# KiCad board kimotor-project.kicad_pcb (continued)
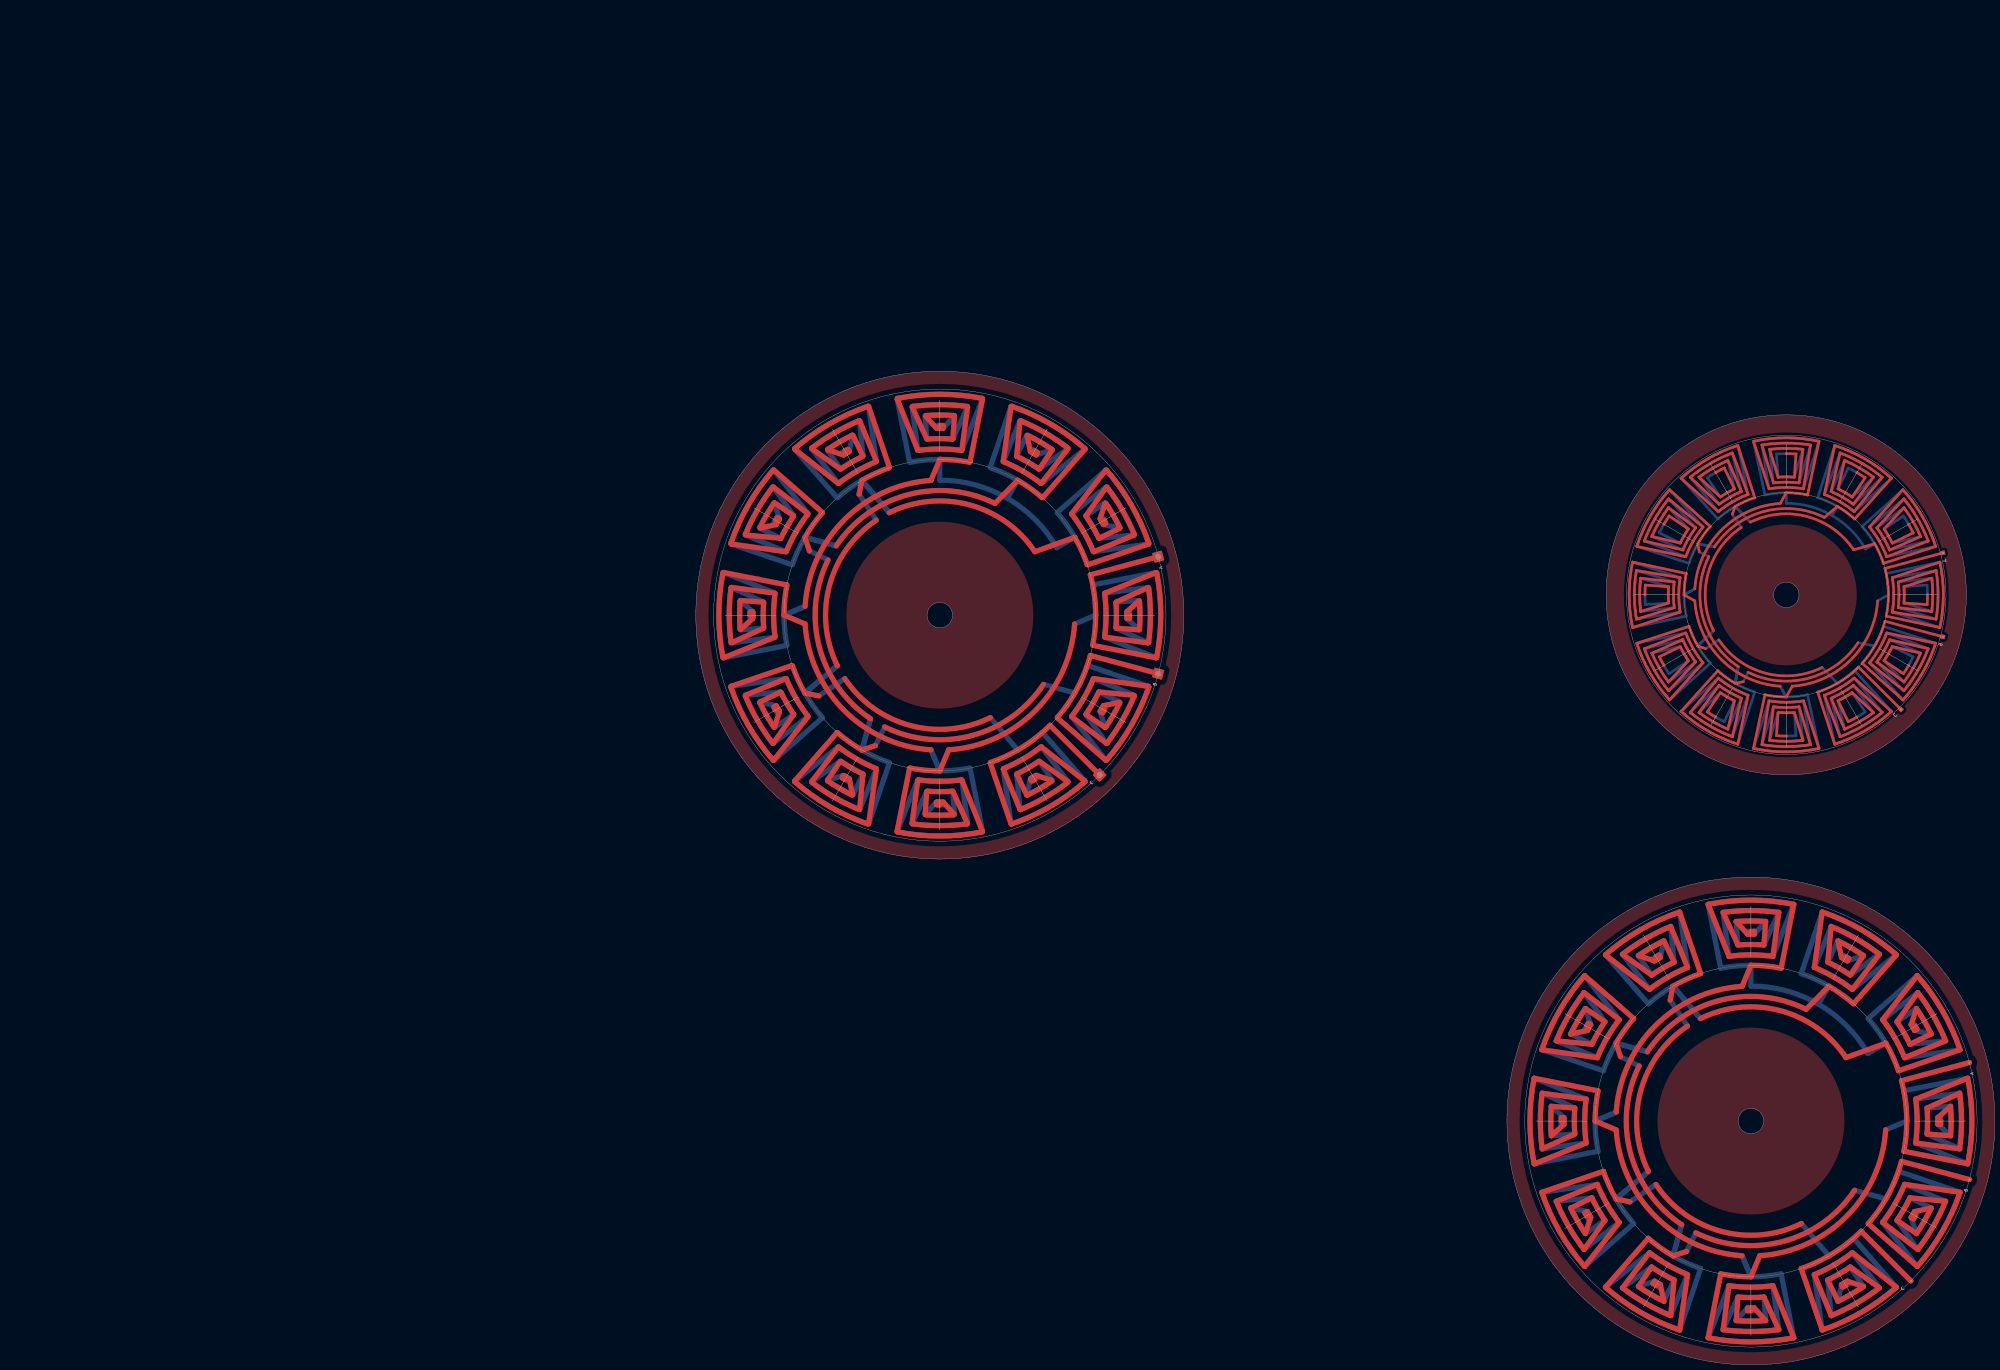
[diagram p0: board, top side]
## Routing (per net, layer and track width the routed paths; a pad name or vN(x,y) marks a point on that pad's centre or on a via; arc(x,y) is an arc through that point) (continued)
arc(-227.76,479.68) -231.78,473.67 ; -229.75,476.92 arc(-227.76,479.68) -231.78,473.67 ; -229.75,476.92 arc(-227.76,479.68) -231.78,473.67 ; -225.07,491.7 -210.49,478.61 ; -225.07,491.7 -210.49,478.61 ; -225.07,491.7 -210.49,478.61 ; -225.07,491.7 -210.49,478.61 ; -225.07,491.7 -210.49,478.61 ; -225.07,491.7 -210.49,478.61 ; -225.07,491.7 -210.49,478.61 ; -225.07,491.7 -210.49,478.61 ; -225.07,491.7 -210.49,478.61 ; -225.07,491.7 arc(-214.64,499.28) -202.86,504.52 ; -225.07,491.7 arc(-214.64,499.28) -202.86,504.52 ; -225.07,491.7 arc(-214.64,499.28) -202.86,504.52 ; -225.07,491.7 arc(-214.64,499.28) -202.86,504.52 ; -225.07,491.7 arc(-214.64,499.28) -202.86,504.52 ; -225.07,491.7 arc(-214.64,499.28) -202.86,504.52 ; -225.07,491.7 arc(-214.64,499.28) -202.86,504.52 ; -225.07,491.7 arc(-214.64,499.28) -202.86,504.52 ; -225.07,491.7 arc(-214.64,499.28) -202.86,504.52 ; -210.49,478.61 -224.74,491.33 ; -210.49,478.61 -224.74,491.33 ; -210.49,478.61 -224.74,491.33 ; -140.04,441 -126.9,439.49 ; -140.04,441 -126.9,439.49 ; -140.04,441 -127.4,439.55 ; -140.04,441 -126.9,439.49 ; -140.04,441 -126.9,439.49 ; -140.04,441 -126.9,439.49 ; -140.04,441 -127.4,439.55 ; -140.04,441 -126.9,439.49 ; -140.04,441 -126.9,439.49 ; -140.04,441 -126.9,439.49 ; -140.04,441 -126.9,439.49 ; -140.04,441 -127.4,439.55 ; -140.04,441 arc(-139.75,446.02) -140.04,451.04 ; -140.04,441 arc(-139.75,446.02) -140.04,451.04 ; -140.04,441 arc(-139.75,446.02) -140.04,451.04 ; -140.04,441 arc(-139.75,446.02) -140.04,451.04 ; -140.04,441 arc(-139.75,446.02) -140.04,451.04 ; -140.04,441 arc(-139.75,446.02) -140.04,451.04 ; -140.04,441 arc(-139.75,446.02) -140.04,451.04 ; -140.04,441 arc(-139.75,446.02) -140.04,451.04 ; -140.04,441 arc(-139.75,446.02) -140.04,451.04 ; -140.04,441 arc(-139.75,446.02) -140.04,451.04 ; -140.04,441 arc(-139.75,446.02) -140.04,451.04 ; -140.04,441 arc(-139.75,446.02) -140.04,451.04 ; -126.9,439.49 arc(-126.53,446.02) -126.9,452.55 ; -126.9,439.49 arc(-126.53,446.02) -126.9,452.55 ; -126.9,439.49 arc(-126.53,446.02) -126.9,452.55 ; -126.9,439.49 arc(-126.53,446.02) -126.9,452.55 ; -126.9,439.49 arc(-126.53,446.02) -126.9,452.55 ; -126.9,439.49 arc(-126.53,446.02) -126.9,452.55 ; -126.9,439.49 arc(-126.53,446.02) -126.9,452.55 ; -126.9,439.49 arc(-126.53,446.02) -126.9,452.55 ; -126.9,439.49 arc(-126.53,446.02) -126.9,452.55 ; -138.58,486.87 -151.3,472.62 ; -138.58,486.87 -151.3,472.62 ; -138.58,486.87 -151.3,472.62 ; -138.58,486.87 arc(-131.06,476.52) -125.86,464.83 ; -138.58,486.87 arc(-131.06,476.52) -125.86,464.83 ; -138.58,486.87 arc(-131.06,476.52) -125.86,464.83 ; -151.3,472.62 -138.21,487.2 ; -151.3,472.62 -138.21,487.2 ; -151.3,472.62 -138.21,487.2 ; -151.3,472.62 -138.21,487.2 ; -151.3,472.62 -138.21,487.2 ; -151.3,472.62 -138.21,487.2 ; -151.3,472.62 -138.21,487.2 ; -151.3,472.62 -138.21,487.2 ; -151.3,472.62 -138.21,487.2 ; -151.3,472.62 arc(-147.46,467.06) -144.56,460.95 ; -151.3,472.62 arc(-147.46,467.06) -144.56,460.95 ; -151.3,472.62 arc(-147.46,467.06) -144.56,460.95 ; -151.3,472.62 arc(-147.46,467.06) -144.56,460.95 ; -151.3,472.62 arc(-147.46,467.06) -144.56,460.95 ; -151.3,472.62 arc(-147.46,467.06) -144.56,460.95 ; -151.3,472.62 arc(-147.46,467.06) -144.56,460.95 ; -151.3,472.62 arc(-147.46,467.06) -144.56,460.95 ; -151.3,472.62 arc(-147.46,467.06) -144.56,460.95 ; -151.3,472.62 arc(-147.46,467.06) -144.56,460.95 ; -151.3,472.62 arc(-147.46,467.06) -144.56,460.95 ; -151.3,472.62 arc(-147.46,467.06) -144.56,460.95 ; -165.08,504.05 arc(-153.39,498.85) -143.04,491.33 ; -165.08,504.05 arc(-153.39,498.85) -143.04,491.33 ; -165.08,504.05 arc(-153.39,498.85) -143.04,491.33 ; -187.72,390.86 arc(-191.11,391.2) -183.89,390.73 ; -187.72,390.86 arc(-191.11,391.2) -183.89,390.73 ; -187.72,390.86 arc(-191.11,391.2) -183.89,390.73 ; -187.72,390.86 arc(-191.11,391.2) -183.89,390.73 ; -187.72,390.86 arc(-191.11,391.2) -183.89,390.73 ; -187.72,390.86 arc(-191.11,391.2) -183.89,390.73 ; -187.72,390.86 arc(-191.11,391.2) -183.89,390.73 ; -187.72,390.86 arc(-191.11,391.2) -183.89,390.73 ; -187.72,390.86 arc(-191.11,391.2) -183.89,390.73 ; -174.45,504.19 arc(-183.89,504.95) -193.33,504.19 ; -174.45,504.19 arc(-183.89,504.95) -193.33,504.19 ; -174.45,504.19 arc(-183.89,504.95) -193.33,504.19 ; -206.73,393.4 arc(-212.57,396.34) -218.04,399.93 ; -206.73,393.4 arc(-212.57,396.34) -218.04,399.93 ; -206.73,393.4 arc(-212.57,396.34) -218.04,399.93 ; -206.73,393.4 arc(-212.57,396.34) -218.04,399.93 ; -206.73,393.4 arc(-212.57,396.34) -218.04,399.93 ; -206.73,393.4 arc(-212.57,396.34) -218.04,399.93 ; -206.73,393.4 arc(-212.57,396.34) -218.04,399.93 ; -206.73,393.4 arc(-212.57,396.34) -218.04,399.93 ; -206.73,393.4 arc(-212.57,396.34) -218.04,399.93 ; -148.43,419.75 -137.8,411.87 ; -148.43,419.75 -137.8,411.87 ; -148.43,419.75 -137.8,411.87 ; -148.43,419.75 -138.2,412.17 ; -148.43,419.75 -137.8,411.87 ; -148.43,419.75 -137.8,411.87 ; -148.43,419.75 -137.8,411.87 ; -148.43,419.75 -138.2,412.17 ; -148.43,419.75 -137.8,411.87 ; -148.43,419.75 -137.8,411.87 ; -148.43,419.75 -138.2,412.17 ; -148.43,419.75 -137.8,411.87 ; -138.23,483.28 arc(-132.85,475.49) -128.79,466.93 ; -138.23,483.28 arc(-132.85,475.49) -128.79,466.93 ; -138.23,483.28 arc(-132.85,475.49) -128.79,466.93 ; -162.98,390.92 arc(-154.42,394.99) -146.63,400.36 ; -162.98,390.92 arc(-154.42,394.99) -146.63,400.36 ; -162.98,390.92 arc(-154.42,394.99) -146.63,400.36 ; -138.45,415.41 arc(-140.42,412.66) -136.44,418.62 ; -138.45,415.41 arc(-140.42,412.66) -136.44,418.62 ; -138.45,415.41 arc(-140.42,412.66) -136.44,418.62 ; -204.8,390.92 arc(-213.36,394.99) -221.15,400.36 ; -204.8,390.92 arc(-213.36,394.99) -221.15,400.36 ; -204.8,390.92 arc(-213.36,394.99) -221.15,400.36 ; -219.35,472.3 -229.58,479.87 ; -219.35,472.3 -229.58,479.87 ; -219.35,472.3 -229.98,480.17 ; -219.35,472.3 -229.98,480.17 ; -219.35,472.3 -229.98,480.17 ; -219.35,472.3 -229.98,480.17 ; -219.35,472.3 -229.98,480.17 ; -219.35,472.3 -229.98,480.17 ; -219.35,472.3 -229.98,480.17 ; -219.35,472.3 -229.98,480.17 ; -219.35,472.3 -229.58,479.87 ; -219.35,472.3 -229.98,480.17 ; -150.04,491.71 arc(-155.46,495.27) -161.25,498.18 ; -150.04,491.71 arc(-155.46,495.27) -161.25,498.18 ; -150.04,491.71 arc(-155.46,495.27) -161.25,498.18 ; -210.16,410.56 -218.04,399.93 ; -210.16,410.56 -218.04,399.93 ; -210.16,410.56 -218.04,399.93 ; -210.16,410.56 -218.04,399.93 ; -210.16,410.56 -218.04,399.93 ; -210.16,410.56 -217.74,400.33 ; -210.16,410.56 -218.04,399.93 ; -210.16,410.56 -217.74,400.33 ; -210.16,410.56 -218.04,399.93 ; -210.16,410.56 -217.74,400.33 ; -210.16,410.56 -218.04,399.93 ; -210.16,410.56 -218.04,399.93 ; -206.53,498.18 arc(-212.32,495.27) -217.74,491.71 ; -206.53,498.18 arc(-212.32,495.27) -217.74,491.71 ; -206.53,498.18 arc(-212.32,495.27) -217.74,491.71 ; -127.4,452.49 -137.8,449.22 ; -127.4,452.49 -137.8,449.22 ; -127.4,452.49 -137.8,449.22 ; -127.4,452.49 arc(-127.03,446.02) -127.4,439.55 ; -127.4,452.49 arc(-127.03,446.02) -127.4,439.55 ; -127.4,452.49 arc(-127.03,446.02) -127.4,439.55 ; -137.8,449.22 -126.9,452.55 ; -137.8,449.22 -126.9,452.55 ; -137.8,449.22 -126.9,452.55 ; -137.8,449.22 -126.9,452.55 ; -137.8,449.22 -126.9,452.55 ; -137.8,449.22 -126.9,452.55 ; -137.8,449.22 -126.9,452.55 ; -137.8,449.22 -126.9,452.55 ; -137.8,449.22 -126.9,452.55 ; -125.23,436.5 arc(-124.46,446.02) -125.23,455.54 ; -125.23,436.5 arc(-124.46,446.02) -125.23,455.54 ; -125.23,436.5 arc(-124.46,446.02) -125.23,455.54 ; -125.23,436.5 arc(-124.46,446.02) -125.23,455.54 ; -125.23,436.5 arc(-124.46,446.02) -125.23,455.54 ; -125.23,436.5 arc(-124.46,446.02) -125.23,455.54 ; -125.23,436.5 arc(-124.46,446.02) -125.23,455.54 ; -125.23,436.5 arc(-124.46,446.02) -125.23,455.54 ; -125.23,436.5 arc(-124.46,446.02) -125.23,455.54 ; -138.21,487.2 arc(-130.63,476.77) -125.39,464.99 ; -138.21,487.2 arc(-130.63,476.77) -125.39,464.99 ; -138.21,487.2 arc(-130.63,476.77) -125.39,464.99 ; -138.21,487.2 arc(-130.63,476.77) -125.39,464.99 ; -138.21,487.2 arc(-130.63,476.77) -125.39,464.99 ; -138.21,487.2 arc(-130.63,476.77) -125.39,464.99 ; -138.21,487.2 arc(-130.63,476.77) -125.39,464.99 ; -138.21,487.2 arc(-130.63,476.77) -125.39,464.99 ; -138.21,487.2 arc(-130.63,476.77) -125.39,464.99 ; -241.92,464.83 arc(-236.72,476.52) -229.2,486.87 ; -241.92,464.83 arc(-236.72,476.52) -229.2,486.87 ; -241.92,464.83 arc(-236.72,476.52) -229.2,486.87 ; -125.39,427.05 -144.56,431.1 ; -125.39,427.05 -144.56,431.1 ; -125.39,427.05 -144.56,431.1 ; -125.39,427.05 -144.56,431.1 ; -125.39,427.05 -144.56,431.1 ; -125.39,427.05 -144.56,431.1 ; -125.39,427.05 -144.56,431.1 ; -125.39,427.05 -144.56,431.1 ; -125.39,427.05 -144.56,431.1 ; -144.56,431.1 -125.86,427.21 ; -144.56,431.1 -125.86,427.21 ; -144.56,431.1 -125.86,427.21 ; -145.84,458.36 -125.39,464.99 ; -145.84,458.36 -125.39,464.99 ; -145.84,458.36 -125.39,464.99 ; -145.84,458.36 -125.39,464.99 ; -145.84,458.36 -125.39,464.99 ; -145.84,458.36 -125.86,464.83 ; -145.84,458.36 -125.39,464.99 ; -145.84,458.36 -125.86,464.83 ; -145.84,458.36 -125.86,464.83 ; -145.84,458.36 -125.39,464.99 ; -145.84,458.36 -125.39,464.99 ; -145.84,458.36 -125.39,464.99 ; -145.84,458.36 arc(-146.94,461.33) -149.25,466.02 ; -145.84,458.36 arc(-146.94,461.33) -149.25,466.02 ; -145.84,458.36 arc(-146.94,461.33) -149.25,466.02 ; -145.84,458.36 arc(-146.94,461.33) -149.25,466.02 ; -145.84,458.36 arc(-146.94,461.33) -149.25,466.02 ; -145.84,458.36 arc(-146.94,461.33) -149.25,466.02 ; -145.84,458.36 arc(-146.94,461.33) -149.25,466.02 ; -145.84,458.36 arc(-146.94,461.33) -149.25,466.02 ; -145.84,458.36 arc(-146.94,461.33) -149.25,466.02 ; -145.84,458.36 arc(-146.94,461.33) -149.25,466.02 ; -145.84,458.36 arc(-146.94,461.33) -149.25,466.02 ; -145.84,458.36 arc(-146.94,461.33) -149.25,466.02 ; -214.51,400.58 arc(-217.25,402.55) -211.29,398.57 ; -214.51,400.58 arc(-217.25,402.55) -211.29,398.57 ; -214.51,400.58 arc(-217.25,402.55) -211.29,398.57 ; -225.41,425.74 -233.13,421.97 ; -225.41,425.74 -233.58,421.75 ; -225.41,425.74 -233.58,421.75 ; -225.41,425.74 -233.58,421.75 ; -225.41,425.74 -233.13,421.97 ; -225.41,425.74 -233.58,421.75 ; -225.41,425.74 -233.58,421.75 ; -225.41,425.74 -233.13,421.97 ; -225.41,425.74 -233.58,421.75 ; -225.41,425.74 -233.58,421.75 ; -225.41,425.74 -233.58,421.75 ; -225.41,425.74 -233.58,421.75 ; -225.41,425.74 arc(-223.9,422.92) -222.21,420.21 ; -225.41,425.74 arc(-223.9,422.92) -222.21,420.21 ; -225.41,425.74 arc(-223.9,422.92) -222.21,420.21 ; -225.41,425.74 arc(-223.9,422.92) -222.21,420.21 ; -225.41,425.74 arc(-223.9,422.92) -222.21,420.21 ; -225.41,425.74 arc(-223.9,422.92) -222.21,420.21 ; -225.41,425.74 arc(-223.9,422.92) -222.21,420.21 ; -225.41,425.74 arc(-223.9,422.92) -222.21,420.21 ; -225.41,425.74 arc(-223.9,422.92) -222.21,420.21 ; -225.41,425.74 arc(-223.9,422.92) -222.21,420.21 ; -225.41,425.74 arc(-223.9,422.92) -222.21,420.21 ; -225.41,425.74 arc(-223.9,422.92) -222.21,420.21 ; -233.13,421.97 arc(-234.52,425.05) -231.35,418.62 ; -233.13,421.97 arc(-234.52,425.05) -231.35,418.62 ; -233.13,421.97 arc(-234.52,425.05) -231.35,418.62 ; -223.22,431.1 -239.46,424.94 ; -223.22,431.1 -239.46,424.94 ; -223.22,431.1 -239.46,424.94 ; -223.22,431.1 -239.46,424.94 ; -223.22,431.1 -239.46,424.94 ; -223.22,431.1 -238.99,425.11 ; -223.22,431.1 -238.99,425.11 ; -223.22,431.1 -239.46,424.94 ; -223.22,431.1 -239.46,424.94 ; -223.22,431.1 -239.46,424.94 ; -223.22,431.1 -238.99,425.11 ; -223.22,431.1 -239.46,424.94 ; -239.46,424.94 arc(-235.36,416.31) -229.93,408.44 ; -239.46,424.94 arc(-235.36,416.31) -229.93,408.44 ; -239.46,424.94 arc(-235.36,416.31) -229.93,408.44 ; -239.46,424.94 arc(-235.36,416.31) -229.93,408.44 ; -239.46,424.94 arc(-235.36,416.31) -229.93,408.44 ; -239.46,424.94 arc(-235.36,416.31) -229.93,408.44 ; -239.46,424.94 arc(-235.36,416.31) -229.93,408.44 ; -239.46,424.94 arc(-235.36,416.31) -229.93,408.44 ; -239.46,424.94 arc(-235.36,416.31) -229.93,408.44 ; -190.63,404.5 -193.33,387.85 ; -190.63,404.5 -193.41,387.36 ; -190.63,404.5 -193.41,387.36 ; -190.63,404.5 -193.41,387.36 ; -190.63,404.5 -193.41,387.36 ; -190.63,404.5 -193.41,387.36 ; -190.63,404.5 -193.33,387.85 ; -190.63,404.5 -193.41,387.36 ; -190.63,404.5 -193.41,387.36 ; -190.63,404.5 -193.41,387.36 ; -190.63,404.5 -193.41,387.36 ; -190.63,404.5 -193.33,387.85 ; -193.33,387.85 arc(-183.89,387.09) -174.45,387.85 ; -193.33,387.85 arc(-183.89,387.09) -174.45,387.85 ; -193.33,387.85 arc(-183.89,387.09) -174.45,387.85 ; -146.31,399.98 -157.62,410.56 ; -146.31,399.98 -157.62,410.56 ; -146.31,399.98 -157.62,410.56 ; -146.31,399.98 -157.62,410.56 ; -146.31,399.98 -157.62,410.56 ; -146.31,399.98 -157.62,410.56 ; -146.31,399.98 -157.62,410.56 ; -146.31,399.98 -157.62,410.56 ; -146.31,399.98 -157.62,410.56 ; -157.62,410.56 -146.63,400.36 ; -157.62,410.56 -146.63,400.36 ; -157.62,410.56 -146.63,400.36 ; -225.42,452.76 -242.06,455.46 ; -225.42,452.76 -242.06,455.46 ; -225.42,452.76 -242.55,455.54 ; -225.42,452.76 -242.55,455.54 ; -225.42,452.76 -242.55,455.54 ; -225.42,452.76 -242.06,455.46 ; -225.42,452.76 -242.55,455.54 ; -225.42,452.76 -242.55,455.54 ; -225.42,452.76 -242.55,455.54 ; -225.42,452.76 -242.55,455.54 ; -225.42,452.76 -242.55,455.54 ; -225.42,452.76 -242.55,455.54 ; -242.06,455.46 arc(-242.82,446.02) -242.06,436.58 ; -242.06,455.46 arc(-242.82,446.02) -242.06,436.58 ; -242.06,455.46 arc(-242.82,446.02) -242.06,436.58 ; -225.07,400.34 arc(-214.64,392.76) -202.86,387.52 ; -225.07,400.34 arc(-214.64,392.76) -202.86,387.52 ; -225.07,400.34 arc(-214.64,392.76) -202.86,387.52 ; -225.07,400.34 arc(-214.64,392.76) -202.86,387.52 ; -225.07,400.34 arc(-214.64,392.76) -202.86,387.52 ; -225.07,400.34 arc(-214.64,392.76) -202.86,387.52 ; -225.07,400.34 arc(-214.64,392.76) -202.86,387.52 ; -225.07,400.34 arc(-214.64,392.76) -202.86,387.52 ; -225.07,400.34 arc(-214.64,392.76) -202.86,387.52 ; -233.58,421.75 arc(-234.98,424.86) -231.78,418.37 ; -233.58,421.75 arc(-234.98,424.86) -231.78,418.37 ; -233.58,421.75 arc(-234.98,424.86) -231.78,418.37 ; -233.58,421.75 arc(-234.98,424.86) -231.78,418.37 ; -233.58,421.75 arc(-234.98,424.86) -231.78,418.37 ; -233.58,421.75 arc(-234.98,424.86) -231.78,418.37 ; -233.58,421.75 arc(-234.98,424.86) -231.78,418.37 ; -233.58,421.75 arc(-234.98,424.86) -231.78,418.37 ; -233.58,421.75 arc(-234.98,424.86) -231.78,418.37 ; -224.38,428.45 -236.05,423.38 ; -224.38,428.45 -236.51,423.18 ; -224.38,428.45 -236.51,423.18 ; -224.38,428.45 -236.51,423.18 ; -224.38,428.45 -236.05,423.38 ; -224.38,428.45 -236.51,423.18 ; -224.38,428.45 -236.51,423.18 ; -224.38,428.45 -236.51,423.18 ; -224.38,428.45 -236.51,423.18 ; -224.38,428.45 -236.51,423.18 ; -224.38,428.45 -236.05,423.38 ; -224.38,428.45 -236.51,423.18 ; -224.38,428.45 arc(-222.11,423.95) -219.35,419.75 ; -224.38,428.45 arc(-222.11,423.95) -219.35,419.75 ; -224.38,428.45 arc(-222.11,423.95) -219.35,419.75 ; -224.38,428.45 arc(-222.11,423.95) -219.35,419.75 ; -224.38,428.45 arc(-222.11,423.95) -219.35,419.75 ; -224.38,428.45 arc(-222.11,423.95) -219.35,419.75 ; -224.38,428.45 arc(-222.11,423.95) -219.35,419.75 ; -224.38,428.45 arc(-222.11,423.95) -219.35,419.75 ; -224.38,428.45 arc(-222.11,423.95) -219.35,419.75 ; -224.38,428.45 arc(-222.11,423.95) -219.35,419.75 ; -224.38,428.45 arc(-222.11,423.95) -219.35,419.75 ; -224.38,428.45 arc(-222.11,423.95) -219.35,419.75 ; -236.05,423.38 arc(-233.14,417.59) -229.58,412.17 ; -236.05,423.38 arc(-233.14,417.59) -229.58,412.17 ; -236.05,423.38 arc(-233.14,417.59) -229.58,412.17 ; -180.1,500.69 arc(-176.74,500.35) -183.89,500.82 ; -180.1,500.69 arc(-176.74,500.35) -183.89,500.82 ; -180.1,500.69 arc(-176.74,500.35) -183.89,500.82 ; -218.04,492.11 -209.71,484.34 ; -218.04,492.11 -209.71,484.34 ; -218.04,492.11 -209.71,484.34 ; -218.04,492.11 -209.71,484.34 ; -218.04,492.11 -209.71,484.34 ; -218.04,492.11 -209.71,484.34 ; -218.04,492.11 -209.71,484.34 ; -218.04,492.11 -209.71,484.34 ; -218.04,492.11 -209.71,484.34 ; -209.71,484.34 -217.74,491.71 ; -209.71,484.34 -217.74,491.71 ; -209.71,484.34 -217.74,491.71 ; -161.05,498.64 -163.61,487.54 ; -161.05,498.64 -163.61,487.54 ; -161.05,498.64 -163.61,487.54 ; -161.05,498.64 -163.61,487.54 ; -161.05,498.64 -163.61,487.54 ; -161.05,498.64 -163.61,487.54 ; -161.05,498.64 -163.61,487.54 ; -161.05,498.64 -163.61,487.54 ; -161.05,498.64 -163.61,487.54 ; -163.61,487.54 -161.25,498.18 ; -163.61,487.54 -161.25,498.18 ; -163.61,487.54 -161.25,498.18 ; -163.61,487.54 arc(-160.79,486.04) -158.08,484.34 ; -163.61,487.54 arc(-160.79,486.04) -158.08,484.34 ; -163.61,487.54 arc(-160.79,486.04) -158.08,484.34 ; -163.61,487.54 arc(-160.79,486.04) -158.08,484.34 ; -163.61,487.54 arc(-160.79,486.04) -158.08,484.34 ; -163.61,487.54 arc(-160.79,486.04) -158.08,484.34 ; -163.61,487.54 arc(-160.79,486.04) -158.08,484.34 ; -163.61,487.54 arc(-160.79,486.04) -158.08,484.34 ; -163.61,487.54 arc(-160.79,486.04) -158.08,484.34 ; -163.61,487.54 arc(-160.79,486.04) -158.08,484.34 ; -163.61,487.54 arc(-160.79,486.04) -158.08,484.34 ; -163.61,487.54 arc(-160.79,486.04) -158.08,484.34 ; -125.86,427.21 arc(-131.06,415.52) -138.58,405.18 ; -125.86,427.21 arc(-131.06,415.52) -138.58,405.18 ; -125.86,427.21 arc(-131.06,415.52) -138.58,405.18 ; -125.23,455.54 -140.04,451.04 ; -125.23,455.54 -140.04,451.04 ; -125.23,455.54 -140.04,451.04 ; -125.23,455.54 -140.04,451.04 ; -125.23,455.54 -140.04,451.04 ; -125.23,455.54 -140.04,451.04 ; -125.23,455.54 -140.04,451.04 ; -125.23,455.54 -140.04,451.04 ; -125.23,455.54 -140.04,451.04 ; -140.04,451.04 -125.72,455.46 ; -140.04,451.04 -125.72,455.46 ; -140.04,451.04 -125.72,455.46 ; -193.41,504.69 -188.91,489.87 ; -193.41,504.69 -188.91,489.87 ; -193.41,504.69 -188.91,489.87 ; -193.41,504.69 -188.91,489.87 ; -193.41,504.69 -188.91,489.87 ; -193.41,504.69 -188.91,489.87 ; -193.41,504.69 -188.91,489.87 ; -193.41,504.69 -188.91,489.87 ; -193.41,504.69 -188.91,489.87 ; -188.91,489.87 -193.33,504.19 ; -188.91,489.87 -193.33,504.19 ; -188.91,489.87 -193.33,504.19 ; -190.42,503.01 -187.09,492.11 ; -190.42,503.01 -187.09,492.11 ; -190.42,503.01 -187.09,492.11 ; -190.42,503.01 -187.09,492.11 ; -190.42,503.01 -187.09,492.11 ; -190.42,503.01 -187.09,492.11 ; -190.42,503.01 -187.09,492.11 ; -190.42,503.01 -187.09,492.11 ; -190.42,503.01 -187.09,492.11 ; -187.09,492.11 -190.36,502.52 ; -187.09,492.11 -190.36,502.52 ; -187.09,492.11 -190.36,502.52 ; -144.56,460.95 -128.33,467.11 ; -144.56,460.95 -128.79,466.93 ; -144.56,460.95 -128.33,467.11 ; -144.56,460.95 -128.33,467.11 ; -144.56,460.95 -128.33,467.11 ; -144.56,460.95 -128.33,467.11 ; -144.56,460.95 -128.33,467.11 ; -144.56,460.95 -128.33,467.11 ; -144.56,460.95 -128.79,466.93 ; -144.56,460.95 -128.33,467.11 ; -144.56,460.95 -128.33,467.11 ; -144.56,460.95 -128.79,466.93 ; -240.88,439.49 -229.98,442.82 ; -240.88,439.49 -229.98,442.82 ; -240.88,439.49 -229.98,442.82 ; -240.88,439.49 -229.98,442.82 ; -240.88,439.49 -229.98,442.82 ; -240.88,439.49 -229.98,442.82 ; -240.88,439.49 -229.98,442.82 ; -240.88,439.49 -229.98,442.82 ; -240.88,439.49 -229.98,442.82 ; -229.98,442.82 -240.39,439.55 ; -229.98,442.82 -240.39,439.55 ; -229.98,442.82 -240.39,439.55 ; -229.98,442.82 arc(-230.09,446.02) -229.98,449.22 ; -229.98,442.82 arc(-230.09,446.02) -229.98,449.22 ; -229.98,442.82 arc(-230.09,446.02) -229.98,449.22 ; -229.98,442.82 arc(-230.09,446.02) -229.98,449.22 ; -229.98,442.82 arc(-230.09,446.02) -229.98,449.22 ; -229.98,442.82 arc(-230.09,446.02) -229.98,449.22 ; -229.98,442.82 arc(-230.09,446.02) -229.98,449.22 ; -229.98,442.82 arc(-230.09,446.02) -229.98,449.22 ; -229.98,442.82 arc(-230.09,446.02) -229.98,449.22 ; -229.98,442.82 arc(-230.09,446.02) -229.98,449.22 ; -229.98,442.82 arc(-230.09,446.02) -229.98,449.22 ; -229.98,442.82 arc(-230.09,446.02) -229.98,449.22 ; -240.39,452.49 arc(-240.75,446.02) -240.39,439.55 ; -240.39,452.49 arc(-240.75,446.02) -240.39,439.55 ; -240.39,452.49 arc(-240.75,446.02) -240.39,439.55 ; -177.42,389.53 -180.69,399.93 ; -177.42,389.53 -180.69,399.93 ; -177.42,389.53 -180.69,399.93 ; -177.42,389.53 arc(-183.89,389.16) -190.36,389.53 ; -177.42,389.53 arc(-183.89,389.16) -190.36,389.53 ; -177.42,389.53 arc(-183.89,389.16) -190.36,389.53 ; -180.69,399.93 -177.36,389.03 ; -180.69,399.93 -177.36,389.03 ; -180.69,399.93 -177.36,389.03 ; -180.69,399.93 -177.36,389.03 ; -180.69,399.93 -177.36,389.03 ; -180.69,399.93 -177.36,389.03 ; -180.69,399.93 -177.36,389.03 ; -180.69,399.93 -177.36,389.03 ; -180.69,399.93 -177.36,389.03 ; -229.93,408.44 -219.35,419.75 ; -229.93,408.44 -219.35,419.75 ; -229.93,408.44 -219.35,419.75 ; -229.93,408.44 -219.35,419.75 ; -229.93,408.44 -219.35,419.75 ; -229.93,408.44 -219.35,419.75 ; -229.93,408.44 -219.35,419.75 ; -229.93,408.44 -219.35,419.75 ; -229.93,408.44 -219.35,419.75 ; -219.35,419.75 -229.55,408.76 ; -219.35,419.75 -229.55,408.76 ; -219.35,419.75 -229.55,408.76 ; -138.2,412.17 arc(-134.64,417.59) -131.73,423.38 ; -138.2,412.17 arc(-134.64,417.59) -131.73,423.38 ; -138.2,412.17 arc(-134.64,417.59) -131.73,423.38 ; -238.99,466.93 arc(-234.93,475.49) -229.55,483.28 ; -238.99,466.93 arc(-234.93,475.49) -229.55,483.28 ; -238.99,466.93 arc(-234.93,475.49) -229.55,483.28 ; -236.51,423.18 arc(-233.57,417.34) -229.98,411.87 ; -236.51,423.18 arc(-233.57,417.34) -229.98,411.87 ; -236.51,423.18 arc(-233.57,417.34) -229.98,411.87 ; -236.51,423.18 arc(-233.57,417.34) -229.98,411.87 ; -236.51,423.18 arc(-233.57,417.34) -229.98,411.87 ; -236.51,423.18 arc(-233.57,417.34) -229.98,411.87 ; -236.51,423.18 arc(-233.57,417.34) -229.98,411.87 ; -236.51,423.18 arc(-233.57,417.34) -229.98,411.87 ; -236.51,423.18 arc(-233.57,417.34) -229.98,411.87 ; -223.01,454.36 -243.55,458.74 ; -223.01,454.36 -244.04,458.85 ; -223.01,454.36 -243.55,458.74 ; -223.01,454.36 -244.04,458.85 ; -223.01,454.36 -244.04,458.85 ; -223.01,454.36 -244.04,458.85 ; -223.01,454.36 -244.04,458.85 ; -223.01,454.36 -244.04,458.85 ; -223.01,454.36 -244.04,458.85 ; -223.01,454.36 -243.55,458.74 ; -223.01,454.36 -244.04,458.85 ; -223.01,454.36 -244.04,458.85 ; -223.01,454.36 arc(-223.55,451.24) -223.89,446.02 ; -223.01,454.36 arc(-223.55,451.24) -223.89,446.02 ; -223.01,454.36 arc(-223.55,451.24) -223.89,446.02 ; -223.01,454.36 arc(-223.55,451.24) -223.89,446.02 ; -223.01,454.36 arc(-223.55,451.24) -223.89,446.02 ; -223.01,454.36 arc(-223.55,451.24) -223.89,446.02 ; -223.01,454.36 arc(-223.55,451.24) -223.89,446.02 ; -223.01,454.36 arc(-223.55,451.24) -223.89,446.02 ; -223.01,454.36 arc(-223.55,451.24) -223.89,446.02 ; -223.01,454.36 arc(-223.55,451.24) -223.89,446.02 ; -223.01,454.36 arc(-223.55,451.24) -223.89,446.02 ; -223.01,454.36 arc(-223.55,451.24) -223.89,446.02 ; -243.55,458.74 arc(-244.89,446.02) -243.55,433.3 ; -243.55,458.74 arc(-244.89,446.02) -243.55,433.3 ; -243.55,458.74 arc(-244.89,446.02) -243.55,433.3 ; -202.86,387.52 -198.82,406.69 ; -202.86,387.52 -198.82,406.69 ; -202.86,387.52 -198.82,406.69 ; -202.86,387.52 -198.82,406.69 ; -202.86,387.52 -198.82,406.69 ; -202.86,387.52 -198.82,406.69 ; -202.86,387.52 -198.82,406.69 ; -202.86,387.52 -198.82,406.69 ; -202.86,387.52 -198.82,406.69 ; -198.82,406.69 -202.7,388 ; -198.82,406.69 -202.7,388 ; -198.82,406.69 -202.7,388 ; -143.41,463.6 -131.27,468.87 ; -143.41,463.6 -131.27,468.87 ; -143.41,463.6 -131.27,468.87 ; -143.41,463.6 -131.27,468.87 ; -143.41,463.6 -131.73,468.67 ; -143.41,463.6 -131.73,468.67 ; -143.41,463.6 -131.27,468.87 ; -143.41,463.6 -131.73,468.67 ; -143.41,463.6 -131.27,468.87 ; -143.41,463.6 -131.27,468.87 ; -143.41,463.6 -131.27,468.87 ; -143.41,463.6 -131.27,468.87 ; -229.98,480.17 arc(-233.57,474.7) -236.51,468.87 ; -229.98,480.17 arc(-233.57,474.7) -236.51,468.87 ; -229.98,480.17 arc(-233.57,474.7) -236.51,468.87 ; -229.98,480.17 arc(-233.57,474.7) -236.51,468.87 ; -229.98,480.17 arc(-233.57,474.7) -236.51,468.87 ; -229.98,480.17 arc(-233.57,474.7) -236.51,468.87 ; -229.98,480.17 arc(-233.57,474.7) -236.51,468.87 ; -229.98,480.17 arc(-233.57,474.7) -236.51,468.87 ; -229.98,480.17 arc(-233.57,474.7) -236.51,468.87 ; -221.94,433.69 -242.39,427.05 ; -221.94,433.69 -242.39,427.05 ; -221.94,433.69 -242.39,427.05 ; -221.94,433.69 -241.92,427.21 ; -221.94,433.69 -241.92,427.21 ; -221.94,433.69 -242.39,427.05 ; -221.94,433.69 -242.39,427.05 ; -221.94,433.69 -242.39,427.05 ; -221.94,433.69 -242.39,427.05 ; -221.94,433.69 -242.39,427.05 ; -221.94,433.69 -241.92,427.21 ; -221.94,433.69 -242.39,427.05 ; -221.94,433.69 arc(-220.85,430.71) -218.53,426.02 ; -221.94,433.69 arc(-220.85,430.71) -218.53,426.02 ; -221.94,433.69 arc(-220.85,430.71) -218.53,426.02 ; -221.94,433.69 arc(-220.85,430.71) -218.53,426.02 ; -221.94,433.69 arc(-220.85,430.71) -218.53,426.02 ; -221.94,433.69 arc(-220.85,430.71) -218.53,426.02 ; -221.94,433.69 arc(-220.85,430.71) -218.53,426.02 ; -221.94,433.69 arc(-220.85,430.71) -218.53,426.02 ; -221.94,433.69 arc(-220.85,430.71) -218.53,426.02 ; -221.94,433.69 arc(-220.85,430.71) -218.53,426.02 ; -221.94,433.69 arc(-220.85,430.71) -218.53,426.02 ; -221.94,433.69 arc(-220.85,430.71) -218.53,426.02 ; -229.2,405.18 arc(-236.72,415.52) -241.92,427.21 ; -229.2,405.18 arc(-236.72,415.52) -241.92,427.21 ; -229.2,405.18 arc(-236.72,415.52) -241.92,427.21 ; -158.08,484.34 -153.27,491.47 ; -158.08,484.34 -153.27,491.47 ; -158.08,484.34 -153,491.88 ; -158.08,484.34 -153,491.88 ; -158.08,484.34 -153,491.88 ; -158.08,484.34 -153,491.88 ; -158.08,484.34 -153,491.88 ; -158.08,484.34 -153,491.88 ; -158.08,484.34 -153,491.88 ; -158.08,484.34 -153,491.88 ; -158.08,484.34 -153.27,491.47 ; -158.08,484.34 -153,491.88 ; -153.27,491.47 arc(-150.53,489.49) -156.49,493.48 ; -153.27,491.47 arc(-150.53,489.49) -156.49,493.48 ; -153.27,491.47 arc(-150.53,489.49) -156.49,493.48 ; -142.71,400.34 -157.29,413.43 ; -142.71,400.34 -157.29,413.43 ; -142.71,400.34 -157.29,413.43 ; -142.71,400.34 -157.29,413.43 ; -142.71,400.34 -157.29,413.43 ; -142.71,400.34 -157.29,413.43 ; -142.71,400.34 -157.29,413.43 ; -142.71,400.34 -157.29,413.43 ; -142.71,400.34 -157.29,413.43 ; -157.29,413.43 -143.04,400.72 ; -157.29,413.43 -143.04,400.72 ; -157.29,413.43 -143.04,400.72 ; -229.98,449.22 -239.05,449.85 ; -229.98,449.22 -238.56,449.81 ; -229.98,449.22 -239.05,449.85 ; -229.98,449.22 -239.05,449.85 ; -229.98,449.22 -239.05,449.85 ; -229.98,449.22 -239.05,449.85 ; -229.98,449.22 -239.05,449.85 ; -229.98,449.22 -239.05,449.85 ; -229.98,449.22 -238.56,449.81 ; -229.98,449.22 -239.05,449.85 ; -229.98,449.22 -238.56,449.81 ; -229.98,449.22 -239.05,449.85 ; -239.05,449.85 arc(-238.71,453.24) -239.19,446.02 ; -239.05,449.85 arc(-238.71,453.24) -239.19,446.02 ; -239.05,449.85 arc(-238.71,453.24) -239.19,446.02 ; -239.05,449.85 arc(-238.71,453.24) -239.19,446.02 ; -239.05,449.85 arc(-238.71,453.24) -239.19,446.02 ; -239.05,449.85 arc(-238.71,453.24) -239.19,446.02 ; -239.05,449.85 arc(-238.71,453.24) -239.19,446.02 ; -239.05,449.85 arc(-238.71,453.24) -239.19,446.02 ; -239.05,449.85 arc(-238.71,453.24) -239.19,446.02 ; -238.56,449.81 arc(-238.22,453.17) -238.69,446.02 ; -238.56,449.81 arc(-238.22,453.17) -238.69,446.02 ; -238.56,449.81 arc(-238.22,453.17) -238.69,446.02 ; -142.37,466.3 -134.2,470.29 ; -142.37,466.3 -134.2,470.29 ; -142.37,466.3 -134.65,470.07 ; -142.37,466.3 -134.2,470.29 ; -142.37,466.3 -134.2,470.29 ; -142.37,466.3 -134.2,470.29 ; -142.37,466.3 -134.2,470.29 ; -142.37,466.3 -134.65,470.07 ; -142.37,466.3 -134.2,470.29 ; -142.37,466.3 -134.2,470.29 ; -142.37,466.3 -134.65,470.07 ; -142.37,466.3 -134.2,470.29 ; -134.2,470.29 arc(-132.8,467.18) -136,473.67 ; -134.2,470.29 arc(-132.8,467.18) -136,473.67 ; -134.2,470.29 arc(-132.8,467.18) -136,473.67 ; -134.2,470.29 arc(-132.8,467.18) -136,473.67 ; -134.2,470.29 arc(-132.8,467.18) -136,473.67 ; -134.2,470.29 arc(-132.8,467.18) -136,473.67 ; -134.2,470.29 arc(-132.8,467.18) -136,473.67 ; -134.2,470.29 arc(-132.8,467.18) -136,473.67 ; -134.2,470.29 arc(-132.8,467.18) -136,473.67 ; -162.8,501.59 -166.31,486.51 ; -162.8,501.59 -166.31,486.51 ; -162.8,501.59 -166.31,486.51 ; -162.8,501.59 -166.31,486.51 ; -162.8,501.59 -166.31,486.51 ; -162.8,501.59 -166.31,486.51 ; -162.8,501.59 -166.31,486.51 ; -162.8,501.59 -166.31,486.51 ; -162.8,501.59 -166.31,486.51 ; -166.31,486.51 -162.98,501.12 ; -166.31,486.51 -162.98,501.12 ; -166.31,486.51 -162.98,501.12 ; -229.98,411.87 -222.21,420.21 ; -229.98,411.87 -222.21,420.21 ; -229.98,411.87 -222.21,420.21 ; -229.98,411.87 -222.21,420.21 ; -229.98,411.87 -222.21,420.21 ; -229.98,411.87 -222.21,420.21 ; -229.98,411.87 -222.21,420.21 ; -229.98,411.87 -222.21,420.21 ; -229.98,411.87 -222.21,420.21 ; -222.21,420.21 -229.58,412.17 ; -222.21,420.21 -229.58,412.17 ; -222.21,420.21 -229.58,412.17 ; -123.74,458.85 -142.37,452.76 ; -123.74,458.85 -142.37,452.76 ; -123.74,458.85 -142.37,452.76 ; -123.74,458.85 -142.37,452.76 ; -123.74,458.85 -142.37,452.76 ; -123.74,458.85 -142.37,452.76 ; -123.74,458.85 -142.37,452.76 ; -123.74,458.85 -142.37,452.76 ; -123.74,458.85 -142.37,452.76 ; -142.37,452.76 -124.23,458.74 ; -142.37,452.76 -124.23,458.74 ; -142.37,452.76 -124.23,458.74 ; -229.55,408.76 arc(-234.93,416.56) -238.99,425.11 ; -229.55,408.76 arc(-234.93,416.56) -238.99,425.11 ; -229.55,408.76 arc(-234.93,416.56) -238.99,425.11 ; -190.36,502.52 arc(-183.89,502.89) -177.42,502.52 ; -190.36,502.52 arc(-183.89,502.89) -177.42,502.52 ; -190.36,502.52 arc(-183.89,502.89) -177.42,502.52 ; -153,491.88 arc(-150.23,489.89) -156.24,493.91 ; -153,491.88 arc(-150.23,489.89) -156.24,493.91 ; -153,491.88 arc(-150.23,489.89) -156.24,493.91 ; -153,491.88 arc(-150.23,489.89) -156.24,493.91 ; -153,491.88 arc(-150.23,489.89) -156.24,493.91 ; -153,491.88 arc(-150.23,489.89) -156.24,493.91 ; -153,491.88 arc(-150.23,489.89) -156.24,493.91 ; -153,491.88 arc(-150.23,489.89) -156.24,493.91 ; -153,491.88 arc(-150.23,489.89) -156.24,493.91 ; -165.08,388 arc(-153.39,393.19) -143.04,400.72 ; -165.08,388 arc(-153.39,393.19) -143.04,400.72 ; -165.08,388 arc(-153.39,393.19) -143.04,400.72 ; -150.04,400.33 arc(-155.46,396.78) -161.25,393.86 ; -150.04,400.33 arc(-155.46,396.78) -161.25,393.86 ; -150.04,400.33 arc(-155.46,396.78) -161.25,393.86 ; -129.23,442.23 arc(-129.56,438.87) -129.09,446.02 ; -129.23,442.23 arc(-129.56,438.87) -129.09,446.02 ; -129.23,442.23 arc(-129.56,438.87) -129.09,446.02 ; -207.94,495.26 arc(-204.86,496.65) -211.29,493.48 ; -207.94,495.26 arc(-204.86,496.65) -211.29,493.48 ; -207.94,495.26 arc(-204.86,496.65) -211.29,493.48 ; -146.63,491.68 arc(-154.42,497.06) -162.98,501.12 ; -146.63,491.68 arc(-154.42,497.06) -162.98,501.12 ; -146.63,491.68 arc(-154.42,497.06) -162.98,501.12 ; -131.73,468.67 arc(-134.64,474.45) -138.2,479.87 ; -131.73,468.67 arc(-134.64,474.45) -138.2,479.87 ; -131.73,468.67 arc(-134.64,474.45) -138.2,479.87 ; -134.65,470.07 arc(-133.27,466.99) -136.44,473.42 ; -134.65,470.07 arc(-133.27,466.99) -136.44,473.42 ; -134.65,470.07 arc(-133.27,466.99) -136.44,473.42 ; -159.84,396.78 arc(-162.92,395.4) -156.49,398.57 ; -159.84,396.78 arc(-162.92,395.4) -156.49,398.57 ; -159.84,396.78 arc(-162.92,395.4) -156.49,398.57